# Allegro board RK3588S_Template_LP4XD200P232SD10H2_30X30_2133MHz_H1R6_V11_20220218YWQ.brd (continued)
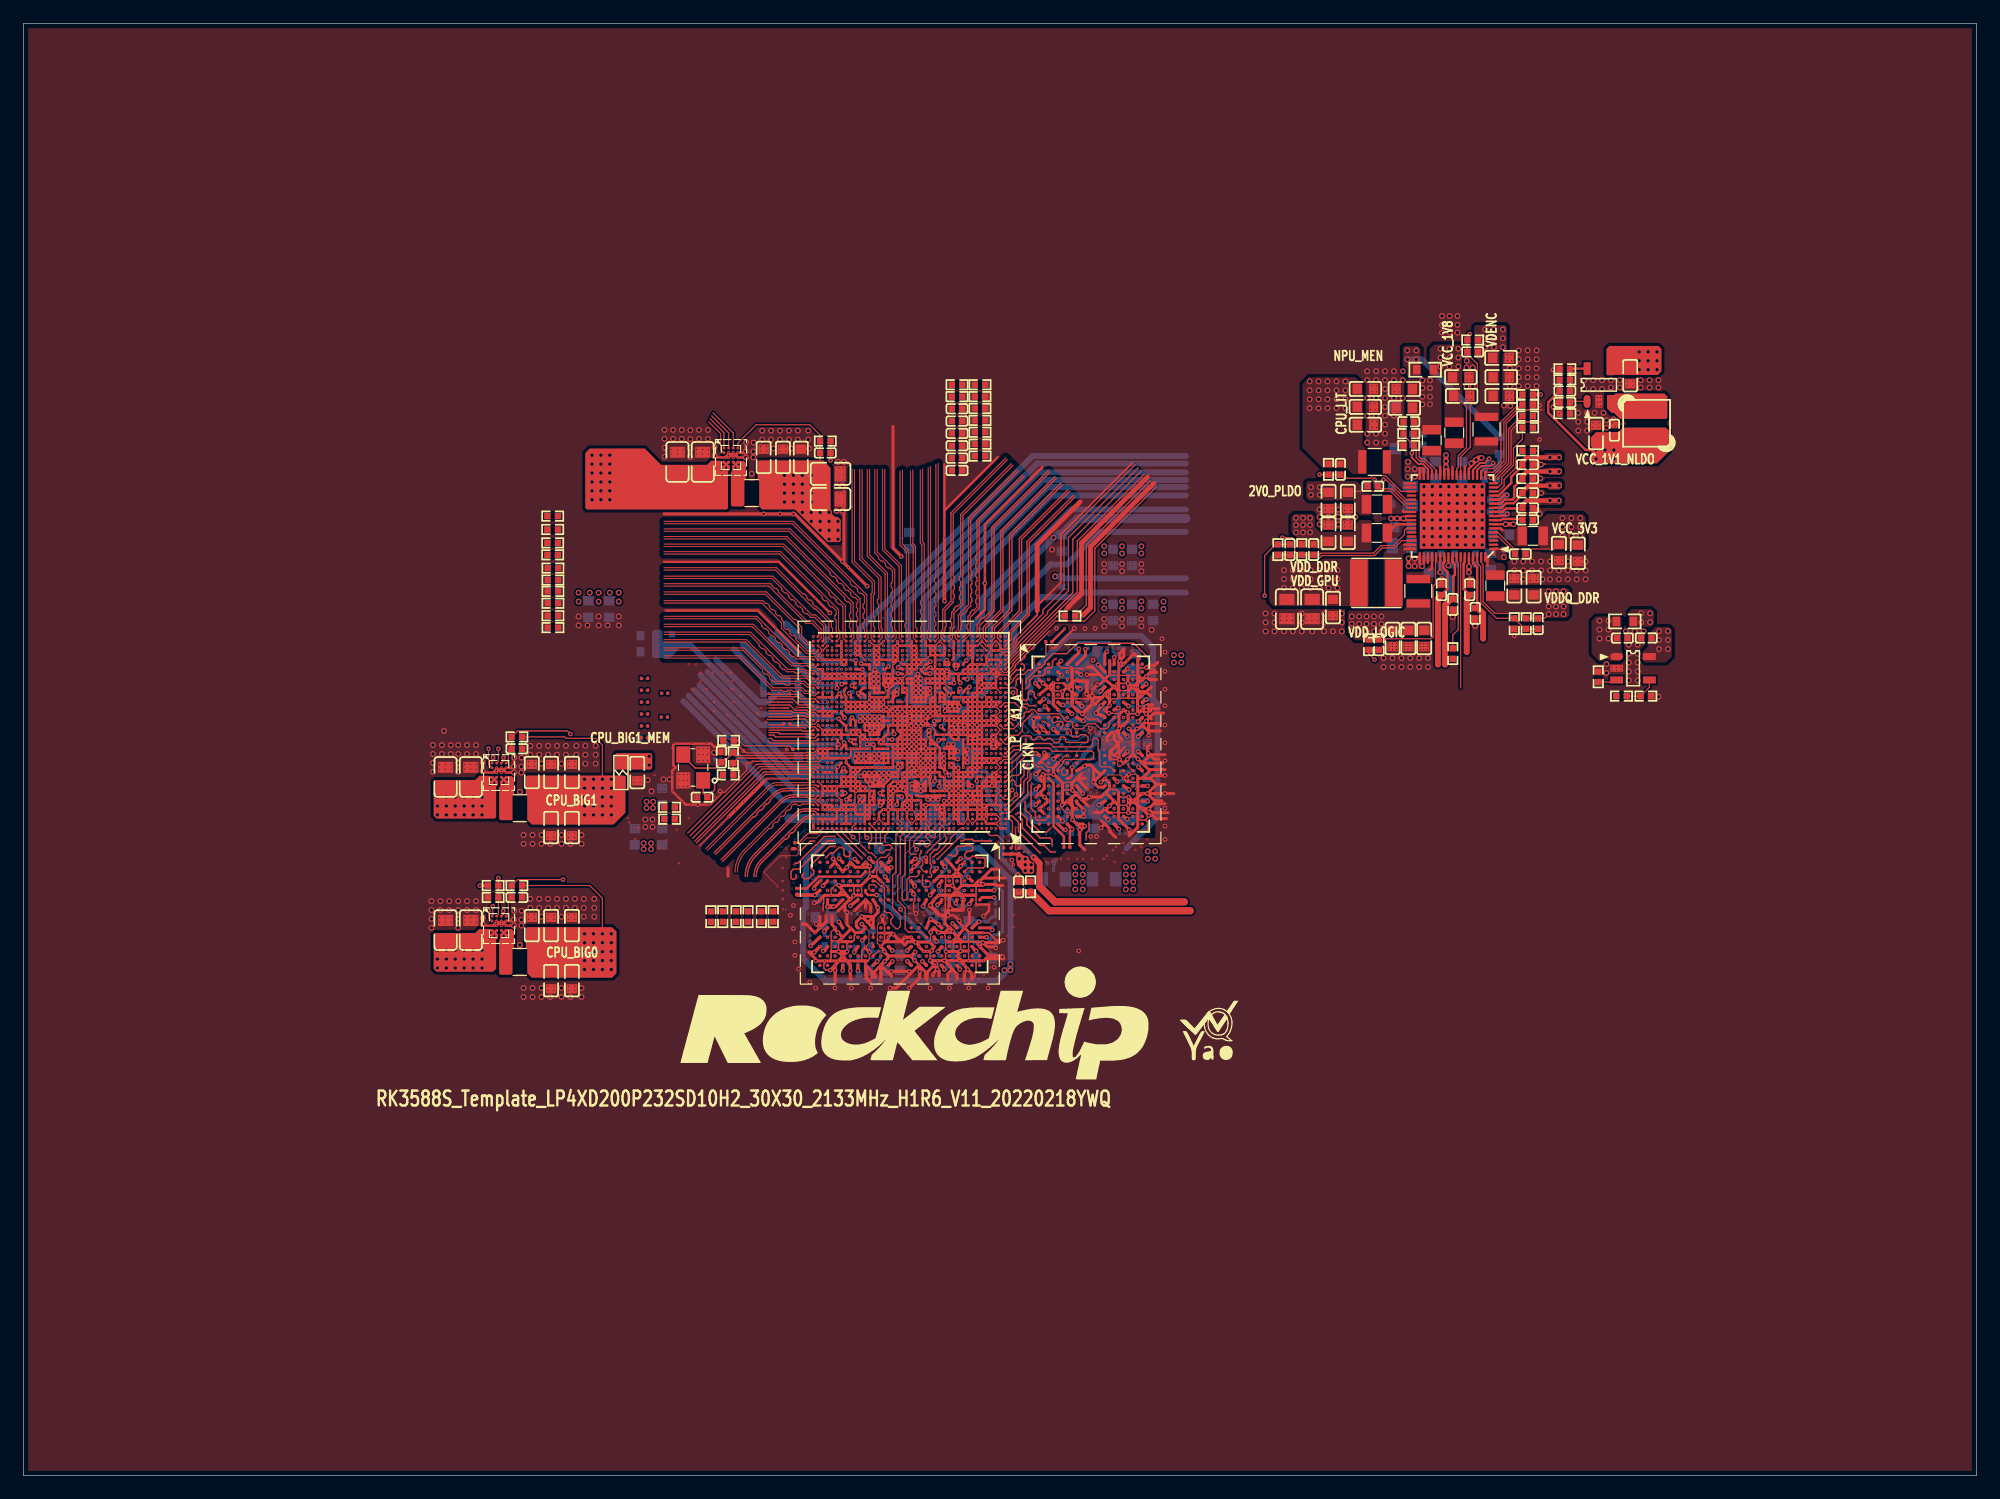
[diagram p0: board, top side]
## Routing (per net, layer and track width the routed paths; a pad name or vN(x,y) marks a point on that pad's centre or on a via; arc(x,y) is an arc through that point) (continued)
  L3-S1 w0.127: v8(93.11,68.39) 92.96,68.39 v3(92.84,68.27) ; v8(68.71,49.66) 68.71,49.65 68.88,49.48 v3(68.88,49.28) ; v3(85.59,61.33) 85.57,61.31 85.24,61.31 v8(85.22,61.34) ; v3(89.59,61.84) 89.59,61.59 v8(89.53,61.53) ; v2(69.02,47.83) 69.1,47.75 v3(69.34,47.75) ; v8(80.77,46.08) 80.77,46.23 v3(80.64,46.36) ; v3(82.78,64.86) 83.02,64.86 v2(83.08,64.92) ; v3(74.22,49.6) 73.97,49.6 v8(73.91,49.66) 73.9,49.67 73.9,49.91 ; v3(66.27,51.9) 66.4,52.02 v8(66.4,52.17) ; v2(82.69,69.7) 82.69,69.7 82.69,69.43 82.56,69.3 v2(82.29,69.3) ; v3(86.11,65.66) 86.11,65.82 v8(86.23,65.95)
  L3-S1 w0.152: v8(78.68,49.6) 78.68,49.5 v3(78.84,49.34) ; 75.17,49.4 75.17,49.33 v8(75.15,49.31) ; 75.17,49.4 v8(75.17,49.89) ; 75.17,49.4 75.41,49.16 v8(75.41,49.15) 75.39,49.15 74.93,48.69 ; v8(62.25,63.57) 60.5,65.33 v8(60.4,65.33) 60.38,65.3 59.64,65.3 ; 80.69,71.1 80.56,71.23 80.56,71.43 ; 80.69,71.1 v3(80.85,70.94) ; 80.69,71.1 v2(80.69,71.3) 80.56,71.43 ; v3(71.27,54.95) 71.32,55 v8(71.57,55) ; v1(81.99,45.54) 81.99,45.49 v2(81.7,45.2) ; v3(88.02,56.91) 88.02,57.01 87.86,57.17 v8(87.86,57.18) ; v3(81.41,49.67) 81.27,49.67 81.25,49.66 81.23,49.66 v8(81.13,49.56) ; v3(69.29,51.18) 69.16,51.31 v8(68.96,51.31) ; v2(89.48,69.04) 89.42,69.1 v3(89.1,69.1) ; v3(77.6,53.48) 77.7,53.38 v8(77.7,53.18) ; 61.74,77.33 v8(63.2,75.87) v8(64.59,74.47) v8(65.1,73.96) v8(65.99,73.08) 66.62,72.44 v8(66.75,72.44) v8(67.31,71.88) v2(67.49,71.7) ; v8(80.56,72.95) v8(80.56,72.26) v8(80.56,71.63) 80.56,71.43 ; v8(87.17,59.1) 87.15,59.07 86.92,59.07 v3(86.87,59.02) ; 57.1,56.31 v3(58.37,56.31) 58.62,56.31 v2(63.35,61.04) ; v2(93.99,69.32) 93.71,69.61 v1(93.66,69.61) ; v2(60.43,68.6) v2(59.77,68.6) v2(58.93,68.6) v2(57.86,68.6) 57.36,68.6 ; v3(72.89,45.18) 72.82,45.25 v8(72.82,45.48) ; 57.78,53.57 v2(57.78,53.85) 57.86,53.77 57.99,53.77 ; v3(91.47,60.36) 91.57,60.26 92.07,60.26 v8(92.07,60.25) 92.08,60.26 92.83,60.26 v8(92.85,60.28) v8(93.12,60.55) ; v3(89.91,64.52) 89.92,64.53 v8(89.92,64.82) ; v8(93.71,60.44) 93.94,60.44 v3(94.01,60.51) ; v2(63.58,66.09) v8(64.47,65.2) ; v8(71.48,52.02) 71.45,52.05 71.45,52.27 v3(71.4,52.32) ; v8(65.23,65.33) v2(64.97,65.58) v2(64.47,66.09) v2(63.7,66.85) 61.25,69.31 v8(61.16,69.31) 59.95,69.31 v8(59.94,69.31) v2(58.55,69.31) v3(58.17,69.31) v2(57.48,69.31) 57.36,69.31 ; v3(74.22,49.6) 73.9,49.91 v2(73.9,50) ; v2(89.59,56.45) 89.87,56.45 v3(89.92,56.51) 90.01,56.51 v8(90.17,56.67) ; v2(58.42,54.48) v8(57.91,54.48) ; v8(81.03,54.99) 81.01,55.01 80.66,55.01 ; v8(63.89,64.69) 60.93,67.64 v8(60.78,67.64) 60.27,67.64 ; 59.89,64.6 v8(60.35,64.6) 60.47,64.6 v8(61.67,63.4) ; 60.02,66.94 v8(60.4,66.94) 60.92,66.94 v2(61.28,66.59) v2(62.74,65.13) v2(63.45,64.41) ; v2(56.85,69.31) 57.06,69.31 ; v3(68.45,52.25) 68.45,52.32 v8(68.63,52.5) 68.7,52.5 68.93,52.73 69.15,52.73 v1(69.18,52.71) 69.35,52.53 v2(69.35,52.4) ; v3(83.39,71.55) 83.17,71.55 83.17,71.61 83.74,72.19 ; v2(64.11,61.04) 59.51,56.44 v8(59.51,56.38) 58.68,55.55 v3(57.61,55.55) ; v2(83.09,55.7) 82.86,55.7 82.82,55.74 v3(82.79,55.74) ; v3(79.67,72.19) 79.68,72.19
  L3-S1 w0.203: v8(93.65,66.03) 93.53,66.15 v3(93.53,66.31) ; v8(83.18,46.69) v3(83.18,46.99) 83.37,46.99 v8(83.47,46.89) ; v8(69.93,75.87) v8(69.67,76.12) v8(67.64,78.16) v8(65.99,79.81) 64.91,80.89 ; v1(69.6,46.4) 69.7,46.3 v8(69.7,45.89) ; v2(68.29,65.7) 68.03,65.7 v3(67.89,65.84) ; v3(78.69,45.66) 78.53,45.66 v8(78.41,45.54) ; v8(77.47,53.21) 77.47,53.35 v3(77.6,53.48) ; v3(81.61,53.59) 81.45,53.75 v8(81.33,53.75) ; v8(66.62,62.79) v3(67.01,62.79) v3(67.51,62.79) 67.79,62.79 v8(67.82,62.81) ; v8(73.41,54.91) 73.5,54.82 v3(73.5,54.63) ; v8(80.56,72.95) 80.56,73.8 v8(80.72,73.96) ; v8(80.01,62.36) 80,62.35 79.89,62.35 ; v2(67.89,67.68) 67.78,67.56 v3(67.56,67.56) 67.31,67.56 v8(67.26,67.61) ; v2(70.99,48.28) 70.51,48.28 v1(70.36,48.13) ; v1(89.64,58.54) 89.73,58.63 v8(90.11,58.63) ; v8(73.48,72.44) v3(73.48,72.09) v3(73.48,71.68) 73.48,71.31 v2(73.49,71.3) ; v1(91.07,57.98) 90.91,58.13 v2(90.91,58.61) ; v2(75.72,48.49) 76.05,48.49 v2(76.07,48.51) ; 75.15,49.05 v8(74.98,48.89) 74.93,48.84 ; v8(70.05,59.89) 69.88,60.07 v3(69.72,60.07) 69.47,60.07 v8(69.43,60.11) ; v1(74.93,48.38) 74.93,48.84 ; v8(71.37,52.91) 71.55,53.09 v3(71.55,53.16) ; v2(67.06,59.48) 67.07,59.49 v3(67.51,59.49) 67.71,59.49 v2(67.89,59.3) ; v8(81.92,71.71) v3(81.92,72.01) 81.92,72.24 v8(81.99,72.31) ; v8(70.05,74.47) 70.05,74.59 69.87,74.77 v8(69.87,74.8) v8(68.41,76.26) v8(67.33,77.34) v8(65.75,78.93) 64.35,80.33 ; v8(78.89,55.63) 78.88,55.61 78.88,55.44 v3(78.74,55.31) ; v1(68.91,73.71) v8(68.58,74.04) 63.32,79.3 ; v8(83.39,73.93) 83.39,73.71 v8(81.99,72.31) ; v3(79.96,48.13) 79.88,48.06 v2(79.88,47.84) ; 76.36,47.92 v1(76.25,48.03) ; v8(78.05,72.82) 78.05,72.54 v3(78.09,72.51) 78.09,72.45 78.31,72.23 v8(78.31,71.93) v8(78.31,71.55) 78.29,71.54 v2(78.29,71.3) ; v3(72.29,56.08) 72.26,56.05 v8(72.26,55.75) ; v3(67.08,65.84) 67.16,65.91 v8(67.39,65.91) v8(67.59,65.91) 67.82,65.91 v3(67.89,65.84) ; v3(67.08,65.84) v3(67.89,65.84) ; v3(67.08,65.84) 67.21,65.71 v8(67.39,65.71) v8(67.59,65.71) 67.77,65.71 v3(67.89,65.84) ; 74.93,48.84 74.75,48.66 v8(74.29,48.66) ; v8(71.4,53.95) 71.52,53.95 v3(71.67,54.1) ; v8(81.99,72.31) v8(82.5,72.82) ; v3(73.55,53.47) 73.55,53.65 v8(73.66,53.76) ; v3(74.69,71.68) 74.69,71.99 v8(74.63,72.06) ; v8(75.89,71.53) v2(75.89,71.3) ; v3(68.78,54.1) 68.65,54.1 v8(68.5,53.95) ; v8(76.07,54.36) 76.15,54.28 v3(76.15,54) ; v8(76.99,71.93) 77.09,71.83 v3(77.09,71.63) v2(77.09,71.3) v2(77.09,70.9) ; 79.43,62.02 79.41,62.02 v8(79.28,61.89) 79.04,61.89 78.84,62.1 ; 88.78,57.88 88.78,57.32 v1(88.75,57.29) ; v8(93.3,57.32) 92.89,57.32 v1(92.79,57.22) ; v1(69.67,50.44) 69.7,50.41 70.26,50.41 ; v1(67.73,47.12) v2(68.05,46.8) ; v8(90.42,62.63) 90.47,62.59 90.75,62.59 90.82,62.65 v3(90.82,62.65) ; v8(76.58,50.53) 76.68,50.53 v3(76.83,50.69) ; v8(84.23,66.67) 84.06,66.84 v3(84.06,66.93) ; v8(69.44,71.12) 69.44,71.27 v3(69.29,71.42) ; v3(70.36,52.95) 70.3,52.95 v8(70.1,52.76) ; v2(73.61,47.16) 73.41,47.36 v1(73.41,47.77) 73.51,47.88 v8(73.96,47.88) v8(74.27,47.88) ; 63.82,79.8 v8(64.65,78.98) v8(66.24,77.39) v8(67.51,76.12) v8(69.55,74.08) v8(69.8,73.83) ; v1(92.07,55.35) v2(92.39,55.67) ; v8(77.03,55.91) 77.03,55.98 v3(76.83,56.18) ; v2(68.29,68.88) v2(67.89,68.88) 67.65,68.88 v3(67.51,69.01) ; 79.64,74.09 79.64,89.01 ; v1(74.32,46.25) 74.55,46.02 v8(74.55,45.85) ; v2(67.49,71.7) 67.64,71.55 v3(67.64,71.42) ; v3(91.06,67.58) 91.13,67.5 v2(91.35,67.5) ; v3(82.93,52.04) v8(82.93,51.74) ; v8(70.05,76.76) v8(70.31,76.5) ; v3(66.88,57.96) v3(67.39,57.96) v3(67.89,57.96) 68.15,57.96 v2(68.29,58.1) ; v1(70.36,44.77) v1(69.65,44.77) ; 75.13,51.58 v3(75.08,51.63) ; 91.28,63.98 v1(91.17,63.87) ; v2(72.29,71.3) 72.21,71.38 v3(72.21,71.6) ; v8(92.5,70.81) v3(92.2,70.81) ; 75.13,47.21 v3(75.44,47.52) ; v1(70.92,49.55) 71.01,49.46 v8(71.01,49.08)
  L3-S1 w0.254: v2(83.09,60.06) v3(82.76,60.06) ; v8(66.42,53.07) 66.23,52.87 v3(66.19,52.87) ; v2(74.68,56.09) 74.68,56.37 v3(74.7,56.39) ; v8(69.42,72.31) 69.31,72.31 62.82,78.8 ; v8(87.07,56.06) 86.91,56.22 v3(86.82,56.22) ; v8(80.72,73.96) 80.85,74.09 v8(80.85,79.17) v8(80.85,82.22) v3(80.85,88.44) 80.85,89.84 ; 62.43,78.4 69.29,71.54 v3(69.29,71.42)
  L3-S1 w0.305: v3(73.94,63.75) 73.89,63.71 v2(73.89,63.3)
  L3-S1 w0.406: v8(85.55,80.06) v8(85.55,82.6) v8(85.55,84.38) v8(85.55,88.7) ; 82.43,94.1 87.45,89.08 v8(87.45,82.47) 87.45,75.36 84.28,72.19 83.74,72.19 ; 81.86,87.68 81.86,90.22 ; v8(83.39,75.74) v8(83.39,73.93)
  L5-POWER2 w0.064: v1(73.51,65.66) 73.38,65.78 v3(73.08,65.78) 73.05,65.81 v3(72.64,65.81) ; v1(72.26,65.66) 72.52,65.41 v3(72.58,65.41) 72.6,65.38 v3(73.15,65.38) 73.58,65.38 v3(73.71,65.25)
  L5-POWER2 w0.076: v1(81.33,62.99) 81.17,62.83 80.98,62.83 80.91,62.91 v1(80.91,63.01)
  L5-POWER2 w0.102: v3(79.27,62.97) 79.36,62.88 79.66,62.88 79.94,62.6 79.99,62.6 80.09,62.5 v3(80.4,62.5) ; v3(80.4,62.5) 80.9,63.01 v1(80.91,63.01) ; v3(80.4,62.5) 80.42,62.48 v3(80.9,62.48) ; v3(77.6,53.48) 77.71,53.59 80.26,53.59 82.93,50.93 v3(84.45,50.93) 86.61,50.93 87.52,51.83 v3(87.52,53.21) 87.52,54.3 v3(86.98,54.85) 86.98,54.88 85.34,56.52 85.34,57.45 v3(85.05,57.75) 85.22,57.92 85.22,59.03 v3(85.62,59.44) 85.72,59.54 85.72,60.3 v3(85.83,60.4)
  L5-POWER2 w0.203: v3(74.04,62.23) 74.67,62.23 74.7,62.2 v3(74.7,62.08) ; v3(75.54,60.07) 75.49,60.12 v3(75.49,60.5) ; 76.49,62.74 76.49,62.74 76.88,62.74 76.89,62.74 ; v3(76.71,63.2) 76.71,63.26 76.5,63.47 ; v3(76.1,59.64) 75.69,59.64 v3(75.67,59.62) ; v3(74.43,64.63) 74.43,64.62 v3(74.03,64.62) ; v3(71.24,60.77) 71.64,60.77 v3(71.64,60.76) 72,60.76 72.03,60.73 v3(72.05,60.73) 72.05,60.74 72.06,60.76 72.45,60.76 v3(72.45,60.76) v3(72.85,60.76) v3(73.25,60.76) v3(73.69,60.76) ; v3(71.2,66.14) 70.94,66.14 v3(70.79,65.99) 70.79,66.11 70.59,66.31 v3(70.36,66.31) ; 76.89,62.74 v3(76.94,62.79) ; 76.89,62.74 76.89,62.19 76.91,62.18
  L6-S2 w0.203: v3(75.49,60.5) 75.49,60.12 v3(75.54,60.07)
  L8-S3 w0.064: v4(69.34,63.14) 69.16,63.32 v3(69.04,63.32) ; v4(71.48,58.57) v3(71.88,58.52) ; v3(71.88,58.52) 71.75,58.39 71.66,58.39 71.63,58.42 v4(71.6,58.39) ; v3(71.88,58.52) 72.09,58.49 72.18,58.36 ; v3(80.22,45.54) 80.22,46.31 80.97,47.06 81.12,47.06 v3(81.21,46.96) 81.21,47.36 81.65,47.8 v1(82.04,47.8) 82.98,47.8 84.39,49.21 v3(84.39,53.43) 84.58,53.63 84.58,53.7 v6(84.61,53.72) 84.58,53.75 84.58,54.05 84.39,54.25 83.54,54.25 83.31,54.02 v6(83.31,53.66) v3(83.53,53.44) 83.53,49.46 83.14,49.07 82.98,49.07 82.55,48.64 v6(81.53,48.64) 81.13,48.64 v1(80.82,48.33) 80.82,47.84 79.48,46.5 v1(79.4,46.5) ; 77.42,65.58 77.09,65.66 77.17,65.58 ; v4(75.08,64.24) 75.11,64.26 75.11,64.34 75.27,64.5 75.29,64.48 ; 70.1,51.69 70.33,51.69 70.45,51.56 v6(70.48,51.56) 70.48,51.53 70.62,51.4 ; 70.1,51.69 v1(70.35,51.94) ; 70.1,51.69 70.05,51.69 ; 77.06,65.68 77.07,65.68 ; v6(90.42,71.44) v6(90.04,71.82) 89.98,71.88 v6(87.25,71.88) v6(86.87,71.88) v3(86.36,71.88) 85.22,71.88 v6(84.71,71.37) ; v3(76.46,64.65) 76.73,64.44 76.74,64.39 76.73,64.39 v4(76.73,64.36) ; v3(69.04,63.32) 68.86,63.32 v4(68.58,63.04) ; v3(69.04,63.32) 69.04,63.14 v4(69.21,62.97) ; 76.29,63.02 76.67,63.13 v3(76.71,63.2) ; 69.43,51.85 69.25,51.85 ; 69.43,51.85 v4(69.34,51.94) 69.25,51.85 ; 69.43,51.85 69.56,51.85 69.6,51.85 69.72,51.73 70.01,51.73 70.05,51.69 ; 69.25,51.85 68.85,51.85 v3(68.45,52.25) ; v6(88.39,55.69) 88.39,56.03 88.76,56.4 v6(89.53,56.4) 89.65,56.4 90.53,57.28 91.37,57.28 91.74,57.65 93.09,57.65 v4(93.18,57.56) ; v3(69.29,51.18) 69.16,51.31 68.43,51.31 67.31,52.44 67.31,54.36 v4(66.72,54.95) ; 85.79,68.26 v6(85.72,68.33) 85.66,68.26 ; 85.79,68.26 85.66,68.26 ; 85.79,68.26 86.09,68.26 ; 71.53,67.61 71.53,67.58 71.63,67.52 71.65,67.44 v3(71.58,67.51) ; 85.66,68.26 85.52,68.26 85.33,68.07 ; v4(83.06,65.02) 82.9,64.86 82.84,64.86 ; 69.72,49.62 70.33,49.02 70.33,48.55 70.36,48.52 v1(70.36,48.13) ; 81.3,55.94 81.11,55.94 v3(81.06,55.89) 81.03,55.89 v4(80.77,55.63) v4(80.52,55.37) 80.43,55.29 80.43,54.74 ; 81.3,55.94 81.61,55.94 81.91,55.64 v3(81.91,55.3) ; 81.3,55.94 v4(81.36,55.99) ; v4(70.51,63.83) 70.61,63.83 v3(70.79,63.65) 70.99,63.65 v4(71.12,63.53) ; v3(77.34,58.55) 77.47,58.42 v4(77.67,58.42) ; 79.88,48.06 79.7,47.88 v6(79.63,47.88) ; 87.76,58.2 87.66,58.11 v6(87.63,58.11) 87.63,58.07 87.5,57.95 ; v3(85.05,57.75) 85.25,57.54 v6(85.25,57.53) ; v6(76.07,57.91) 76.3,58.14 76.3,59.38 76.33,59.41 v3(76.1,59.64) ; v4(83.06,64.14) 82.86,64.34 v3(82.8,64.34) 82.8,64.39 v4(83.06,64.64) 82.84,64.86 ; 75.31,64.46 v3(75.31,64.44) ; 75.31,64.46 75.29,64.48 ; 75.31,64.46 75.31,64.59 75.29,64.61 ; v3(66.72,55.32) 66.72,55.42 v6(67.18,55.88) 67.43,56.13 67.73,56.13 v6(67.98,55.88) 68.07,55.88 v3(68.3,55.65) ; 82.84,64.86 v3(82.78,64.86) ; 70.05,51.69 70.34,51.4 70.62,51.4 ; 80.08,51.08 v3(80.06,51.07) 80.06,51.08 80.08,51.08 ; 80.08,51.08 80.27,51.28 80.36,51.28 v6(80.77,51.69) 81.28,52.2 v6(81.28,52.3) ; v4(69.55,63.91) v4(69.72,63.73) 69.93,63.73 v3(70.03,63.63) 70.1,63.7 v4(70.33,63.7) ; v6(68.07,50.8) 68.1,50.77 68.44,50.77 68.78,50.43 v6(68.78,49.66) ; v3(74.04,62.23) 73.86,62.57 73.87,62.6 73.86,62.62 73.86,62.64 ; 75.29,64.48 75.29,64.61 ; v1(91.07,57.98) 90.67,57.98 90.64,57.95 90.17,57.95 89.54,57.32 v3(89.49,57.32) ; v3(92.67,67) 92.67,67.02 92.68,67.03 92.68,67.12 91.35,68.44 v1(90.86,68.44) 90.46,68.84 90.39,68.84 88.33,70.9 87.06,70.9 86.24,70.08 84.67,70.08 v3(84.45,70.3) 84.45,71.25 84.71,71.5 85.09,71.5 v6(85.34,71.25) ; 75.29,64.61 74.96,64.95 v4(74.93,64.95) ; 86.12,68.26 86.09,68.26 ; 86.12,68.26 86.21,68.35 v6(86.49,68.35) 86.57,68.44 86.96,68.44 87.15,68.24 87.15,67.74 v1(87.12,67.7) 87.12,67.58 87.44,67.26 87.44,66.93 87.78,66.58 87.78,66.39 87.79,66.39 v6(87.79,66.35) v3(88.02,66.13) 88.23,66.13 v6(88.39,66.28) 88.55,66.44 88.55,66.49 ; 86.12,68.26 v6(86.11,68.25) 86.09,68.26 ; 78.87,50.64 78.82,50.64 v6(78.66,50.8) 78.5,50.96 v3(78.5,51.18) v6(78.73,51.4) 78.96,51.4 79.31,51.76 79.76,51.76 v1(80.08,52.07) ; 87.79,58.24 v3(88.13,58.57) ; 87.32,57.9 v1(87.25,57.97) ; v3(75.56,63.58) 75.44,63.7 75.21,63.7 75.16,63.75 ; v4(77.5,61.21) 77.49,61.22 77.5,61.26 77.33,61.5 77.26,61.51 v3(77.17,61.65) ; v4(72.03,67.82) v3(72.03,67.48) ; 76.5,63.47 76.5,63.78 v4(76.5,63.75) ; v4(73.41,65.18) 73.27,65.34 73.18,65.35 v3(73.15,65.38) 73.11,65.39 72.87,65.28 v4(72.86,65.28) ; v1(91.4,69.66) 91.4,69.23 92.79,67.84 v3(93.66,67.84) ; 70.62,51.4 v3(70.95,51.07) ; 75.13,63.32 75.24,63.43 v4(75.23,63.5) 75.26,63.53 75.26,63.58 75.18,63.65 75.18,63.76 74.98,63.95 v3(74.9,63.95) ; v4(76.1,61.21) 76.08,61.22 75.93,61.09 v3(75.92,60.97) 76.23,60.98 v4(76.33,61.09) ; 81.91,55.14 v4(82.04,55.02)
  L8-S3 w0.066: 87.79,58.24 87.76,58.2 87.76,58.05 87.5,57.8 ; 87.75,68.17 87.75,68.07 87.8,68.02 87.8,67.92 87.89,67.83 ; 84.45,54.48 85.51,55.54 87.12,55.54 88.02,56.44 v3(88.02,56.91) ; 87.76,68.18 87.66,68.27 87.66,68.45 87.66,68.46 87.66,68.55 87.12,69.09 ; 86.72,56.26 87.3,56.84 87.3,56.85 87.3,56.91 ; v6(90.42,70.1) 90.22,70.1 89.66,70.66 v6(89.66,70.87) ; 87.5,57.84 87.5,57.8 ; 87.5,57.84 87.45,57.9 87.32,57.9 ; 87.5,57.84 87.5,57.95 ; 87.5,57.8 87.32,57.61 v4(87.32,57.58) 87.33,57.57 87.33,57.14 87.3,57.11 87.3,57.06 ; 87.3,57.06 87.3,56.91 ; 87.3,57.06 87.25,57.01 v4(87.25,56.96) 87.3,56.91
  L8-S3 w0.076: 87.89,67.83 88.01,67.83 88.01,67.76 ; v3(84.23,54.48) 84.45,54.48 ; 87.75,68.17 87.76,68.18
  L8-S3 w0.102: v4(76.26,65.42) 76.28,65.42 76.45,65.55 76.46,65.65 76.51,65.57 76.63,65.54 76.69,65.45 ; v4(75.08,64.24) 75.11,64.21 75.11,64.21 75.02,64.28 74.99,64.28 74.88,64.36 v3(74.84,64.63) ; 72.56,64.05 v6(72.54,64.03) 72.52,64.05 ; 72.56,64.05 72.52,64.05 ; 72.56,64.05 73.41,64.05 73.51,64.15 ; v3(88.02,66.13) 88.03,66.11 88.17,66.11 88.55,66.49 v6(88.55,67.5) 88.37,67.68 88.34,67.68 88.33,67.67 88.2,67.67 88.19,67.68 88.09,67.68 88.01,67.76 ; v3(72.58,65.41) 72.58,65.57 72.59,65.59 ; 84.67,70.08 84.69,70.06 v6(84.79,70.06) 85.17,70.06 v6(85.47,70.36) ; v3(73.08,65.78) 73.05,65.63 73.26,65.35 73.29,65.34 v4(73.41,65.18) ; v3(73.08,65.78) 72.83,65.61 72.89,65.52 ; v3(73.08,65.78) 73.01,65.83 72.94,66.27 72.93,66.39 v4(72.9,66.42) ; v3(73.08,65.78) 72.9,65.84 72.82,66 72.84,66.13 72.85,66.14 ; v3(83.64,60.88) 83.44,60.67 v6(83.44,60.65) ; v4(74.88,64.33) 74.81,64.36 74.77,64.48 v3(74.84,64.63) ; 76.25,64.9 76.46,65.17 v3(76.5,65.18) 76.43,65.19 76.2,65.51 76.04,65.53 75.88,65.42 v4(75.85,65.42) 75.87,65.43 v6(76.1,65.71) ; v4(74.93,64.95) 74.97,64.9 74.97,64.76 v3(74.84,64.63) ; 81.91,54.89 82.03,55 ; 81.91,54.89 v3(81.91,54.74) v4(81.91,54.36) 81.91,53.98 v6(81.79,53.85) v6(81.28,53.34) v6(81.28,52.96) v6(81.28,52.3) ; 81.91,54.89 v3(81.91,55.3) ; v3(73.12,62.42) 73.12,62.29 v6(73.28,62.13) 73.41,62 v3(73.61,62) ; v4(73.57,56.42) 73.53,56.38 v6(73.53,56.13) 73.53,56.08 v3(73.79,55.83) 73.48,55.83 v6(73.41,55.75) ; v3(79.18,64.05) 79.02,64.05 78.5,63.53 v4(78.1,63.53) ; 83.93,69.99 v6(83.44,69.5) 83.34,69.5 v3(83.18,69.34) v6(83.18,68.96) v6(83.18,68.07) 82.98,67.86 v3(82.98,67.81) 82.93,67.76 82.93,67.46 v6(82.95,67.44) 82.95,67.44 v6(82.95,66.8) 82.95,66.4 82.84,66.3 v6(82.81,66.3) 82.8,66.3 82.72,66.3 82.44,66.02 82.44,66.01 82.35,65.92 v3(82.35,65.73) v6(82.35,65.41) 82.35,65.29 v6(82.01,64.95) 82.01,64.3 81.89,64.18 v3(81.89,64.15) ; 83.93,69.99 84.14,69.99 v6(84.2,70.05) ; 83.93,69.99 84.23,70.3 84.45,70.3 ; 80.43,54.74 v6(80.43,52.43) v1(80.08,52.07) ; 72.52,64.05 72.03,64.05 v3(71.93,63.95) ; v6(75.18,57.53) 75.16,57.56 74.98,57.56 74.78,57.76 74.65,57.76 74.55,57.86 v6(74.55,57.91) ; v3(66.17,53.73) 66.29,53.6 v4(66.29,53.46) 66.29,53.03 66.19,52.92 v3(66.19,52.87) 66.19,52.68 v6(68.07,50.8) ; 85.33,68.07 v4(85.09,68.07) v6(84.71,68.07) 84.58,68.07 v6(84.39,68.26) 84.07,68.58 v6(84.04,68.58) 83.83,68.78 83.83,69.07 v6(83.82,69.09) v6(84.1,69.37) v3(84.48,69.37) 84.51,69.34 v6(84.87,69.34) 85.12,69.09 v6(85.85,69.09) v6(86.23,69.09) v6(86.61,69.09) 87.12,69.09 ; v6(86.91,66.71) 86.84,66.78 v3(86.84,67.02) ; 77.09,65.66 77.07,65.68 77.1,65.71 77.1,67.55 77.2,67.65 77.2,68.09 77.22,68.11 ; v4(70.82,66.5) 70.97,66.65 70.97,67.15 v4(71.28,67.45) ; v3(72.29,56.08) 72.59,56.08 v4(72.64,56.13) ; v3(80.06,51.07) 80.06,50.82 v6(79.88,50.64) 78.87,50.64 78.49,51.02 78.49,51.16 v3(78.5,51.18) ; v6(80.39,56.52) 80.62,56.52 v3(80.69,56.58) ; v4(77.91,53.52) 77.86,53.48 v3(77.6,53.48) 77.34,53.48 v4(77.29,53.43) ; v4(71.08,68.2) 71,68.2 70.97,68.22 70.97,68.46 70.87,68.56 70.87,68.52 v3(70.89,68.5) 70.89,69.38 70.62,69.65 v3(69.93,69.65) ; v3(67.39,57.96) 67.55,57.8 v6(67.64,57.8) 67.73,57.8 ; v4(66.72,54.95) v3(66.72,55.32) ; v3(78.69,45.66) 78.79,45.55 78.79,45.31 78.84,45.26 v1(78.84,44.77) ; v3(69.53,45.61) v4(69.94,46.01) 70.03,46.11 70.03,47.45 69.64,47.84 69.64,48.68 68.78,49.55 v6(68.78,49.66) ; v3(87.45,69.85) 87.59,69.85 v6(87.72,69.98) ; v6(72.77,69.42) 72.77,69.41 72.26,68.9 v6(72.26,68.63) ; v3(93.58,57.16) v4(93.18,57.56) ; 77.47,60.08 v4(77.47,60.07) ; 84.88,56.26 86.72,56.26 ; v3(93.53,66.31) 93.64,66.41 93.89,66.41 93.93,66.46 v3(94.42,66.46) ; v3(68.45,52.25) 68.07,52.63 v6(68.07,52.83) v6(68.07,53.21) v6(68.07,53.59) v6(68.07,54.23) v4(68.07,55.12) 68.07,55.42 v3(68.3,55.65) ; v3(84.43,71.12) 84.58,70.97 v6(84.58,70.74) 84.58,70.42 v3(84.45,70.3) 84.33,70.42 v6(84.33,70.74) 84.33,71.02 v3(84.43,71.12)
  L8-S3 w0.127: v4(86.13,60.41) 85.84,60.41 v3(85.83,60.4) ; v3(71.4,52.32) 71.39,52.32 71.37,52.31 70.89,52.31 v4(70.88,52.29) ; 77.22,68.11 77.22,68.11 77.09,68.24 77.09,68.68 77.45,69.04 v1(77.5,69.04) ; v4(85.92,59.44) 85.63,59.44 v3(85.62,59.44)
  L8-S3 w0.152: v6(75.34,51.25) 75.34,51.38 v3(75.08,51.63) v6(75.39,51.94) ; v6(75.79,46.96) 75.79,46.5 ; 75.79,46.5 75.49,46.81 v6(75.34,46.81) ; 75.79,46.5 75.84,46.45 ; 75.79,46.5 75.49,46.2 v6(75.44,46.2) ; v4(86.49,59.05) 86.83,59.05 v3(86.87,59.02) ; v4(71.63,52.87) 71.55,52.95 v3(71.55,53.16) ; v3(84.84,62.99) 85.01,62.81 v4(85.09,62.81) ; v6(74.68,53.09) 74.49,53.27 v3(74.49,53.33) ; v6(75.03,47.26) 75.18,47.26 v3(75.44,47.52) ; v3(84.27,59.03) 84.27,59.27 v6(84.33,59.33) ; v3(73.69,52.41) 73.79,52.41 73.94,52.26 v6(73.94,52.22) 74.14,52.02 v1(74.14,51.96) ; 73.88,53.97 73.55,53.64 v3(73.55,53.47) 73.44,53.47 v4(73.28,53.31) ; 73.88,53.97 73.88,54.32 v6(73.91,54.36) ; 73.88,53.97 74.04,53.97 v3(74.17,54.1) 73.92,54.36 v6(73.91,54.36) ; v4(86.63,57.78) 86.74,57.78 v4(86.87,57.66) 86.93,57.66 v1(87.25,57.97) 87.38,58.11 v6(87.63,58.11) ; v3(71.27,54.95) 71.51,54.95 v6(71.58,55.02) ; v3(90.3,69.09) 89.97,68.76 v6(89.97,68.63) ; v4(92.23,66.31) 92.28,66.31 v1(92.79,65.8) ; v4(88.62,64.87) 88.62,64.58 v3(88.55,64.51) 88.55,64.23 v6(88.65,64.14) ; v6(82.76,59.76) v3(82.76,60.06) 82.92,60.06 v6(83.06,59.92) ; v6(93.96,62.35) 94.34,62.35 v3(94.37,62.37) 94.39,62.35 v6(94.72,62.35) ; v3(75.44,47.52) 75.49,47.57 ; v3(75.44,47.52) 75.13,47.82 v6(75.08,47.82) ; v3(85.59,61.33) 85.6,61.33 85.85,61.58 v6(85.85,61.72) ; v6(91.44,67.5) 91.7,67.5 ; 91.7,67.5 v1(91.78,67.58) ; 91.7,67.5 91.45,67.25 v6(91.31,67.25) ; v6(84.46,59.9) 84.68,60.12 v3(84.68,60.16) ; v6(74.73,44.47) 74.73,44.8 v3(74.76,44.83) 74.73,44.86 v6(74.73,45.23) ; v4(69.34,52.45) 69.18,52.62 v1(69.18,52.71) ; 79.88,47.49 79.63,47.75 v6(79.63,47.88) ; 79.88,47.49 v6(79.88,47.75) ; 79.88,47.49 v1(79.96,47.42) ; v3(89.61,68.13) 89.49,68.26 v6(89.49,68.4) ; v3(84.45,70.3) 84.45,70.3 v6(84.2,70.05) 84.78,70.05 v6(84.79,70.06) ; 87.32,57.61 87.32,57.9 ; v1(87.23,61.76) 87.17,61.76 v6(86.97,61.56) 86.93,61.56 86.78,61.41 v3(86.78,61.31) ; v3(85.88,64.4) 85.94,64.35 v6(85.94,64.06) ; v3(80.62,68.83) 80.62,69.06 v4(80.72,69.16) ; v6(86.23,62.23) 86.05,62.23 85.92,62.1 85.9,62.1 v3(85.89,62.08) ; v4(70.84,50.64) 70.71,50.51 v3(70.71,50.36) ; v3(86.11,65.66) 86.06,65.7 v4(86.06,66.31) ; v6(73.91,54.36) 73.64,54.63 v3(73.5,54.63) ; v6(75.49,47.92) 75.49,47.57 ; 75.49,47.57 v6(75.9,47.57) ; v6(71.37,53.98) 71.55,53.98 v3(71.67,54.1) ; v4(88.55,58.46) 88.68,58.33 v3(88.83,58.33) ; v3(80.69,56.58) 80.96,56.58 v6(81.03,56.52) ; v4(78.69,46.96) 78.69,46.91 v1(78.18,46.4) ; v3(71.55,53.16) 71.6,53.21 v4(71.85,53.21) ; v3(71.55,53.16) 71.5,53.11 71.5,52.43 v3(71.4,52.32) ; v1(70.35,51.94) 70.48,51.81 v6(70.48,51.56)
  L8-S3 w0.203: v6(81.03,49.78) 81.05,49.76 81.31,49.76 v3(81.41,49.67) 81.65,49.91 v6(81.66,49.91) 81.85,50.1 81.85,50.38 v1(81.98,50.52) ; 87.15,64.27 v4(87.15,64.28) 87.22,64.35 v3(87.44,64.35) 87.5,64.29 v6(87.5,64.01) ; 87.15,64.27 v1(87.15,63.72) 87.21,63.72 v6(87.5,64.01) ; 87.15,64.27 87.42,64.01 v6(87.5,64.01) ; v3(73.12,62.42) 73.55,62.42 v3(73.56,62.43) ; v3(70.84,60.71) 73.63,60.71 v3(73.69,60.76) ; v4(80.7,66.01) 80.7,66.04 v3(80.48,66.25) ; v4(80.7,66.01) 81.04,66.01 ; v4(80.7,66.01) 80.72,65.99 v4(81.03,65.99) 81.03,66 81.04,66.01 ; 78.49,59.41 78.49,59.66 v3(78.44,59.71) 78.26,59.52 78.26,59.46 ; v3(79.72,65.24) 79.76,65.2 79.76,64.77 v4(79.88,64.64) 80.42,64.11 v1(80.42,64.11) ; v4(86.63,57.78) 86.62,57.8 v3(86.33,57.8) ; 81.04,66.01 v3(81.29,66.26) ; v3(79.27,62.97) v3(78.87,62.97) 78.84,62.97 v6(78.61,62.74) 78.59,62.71 v4(78.59,62.48) ; v4(80.64,71.15) v3(80.85,70.94) ; v3(82.93,52.04) 82.93,51.69 v4(82.93,51.69) v4(82.93,51.44) ; v3(77.47,52.26) 77.66,52.45 v6(77.72,52.45) ; v4(78.1,63.53) v4(78.1,63.32) ; v3(75.49,60.5) 75.44,60.5 v4(75.23,60.71) 75.01,60.93 v3(75.01,61.04) ; v3(76.83,50.69) 76.99,50.85 v4(77.09,50.85) ; v6(71.75,56.01) 72,56.01 72.07,56.08 72.19,56.08 ; 72.19,56.08 v3(72.29,56.08) ; 72.19,56.08 v6(72.01,56.26) ; v6(91.31,67.25) 91.31,67.33 91.13,67.5 ; v1(88.65,69.6) 88.67,69.58 v6(88.67,69.29) ; v3(75.11,66.9) 75.11,67.13 v4(75.18,67.21) ; v6(84.06,66.55) v3(84.06,66.93) v6(84.06,67.31) ; v3(76.72,69.7) 76.68,69.7 v4(76.45,69.47) 76.43,69.45 v4(76.43,69.01) 76.56,68.88 v3(76.71,68.88) ; 72.9,60.45 72.88,60.47 72.26,60.47 72.24,60.45 v4(72.16,60.45) 72.14,60.47 v4(70.54,60.47) ; v6(69.09,62.36) 69.37,62.08 v4(69.47,62.08) 69.82,62.08 v4(69.85,62.1) 69.93,62.18 70.39,62.18 v3(70.54,62.33) ; v3(79.96,48.13) 79.88,48.06 v6(79.88,47.75) ; v3(84.84,62.99) v4(84.57,63.25) ; v3(75.74,67.72) 75.74,67.56 v6(75.87,67.44) ; v4(83.82,64.77) 83.99,64.6 v3(83.99,64.51) v4(83.99,64.14) ; v3(89.61,68.13) 89.62,68.13 v4(89.83,67.92) ; 91.13,67.5 v3(91.06,67.58) ; 91.13,67.5 v6(91.44,67.5) ; v6(86.74,65.39) 86.6,65.53 86.23,65.53 v3(86.11,65.66) ; v6(70.36,53.25) v3(70.36,52.95) ; v4(79.67,72.52) v3(79.67,72.19) ; v3(73.67,59.18) 74.37,59.18 v3(74.42,59.23) 74.7,59.51 v3(74.78,59.51) 75.21,59.51 75.23,59.54 75.26,59.54 v3(75.27,59.55) 75.26,59.56 75.39,59.69 75.39,59.79 75.34,59.84 75.32,59.84 v4(75.31,59.86) 75.32,59.86 75.34,59.87 75.39,59.82 75.54,59.97 v3(75.54,60.07) ; v6(78.87,52.83) 78.87,52.58 v6(78.99,52.45) 79.1,52.35 v3(79.4,52.35) 79.25,52.5 v6(79.25,52.7) 79.12,52.83 v6(78.87,52.83)
  L8-S3 w0.254: v3(67.89,57.96) 67.82,58.04 66.71,58.04 66.63,57.96 ; v3(67.89,57.96) v3(67.39,57.96) v3(66.88,57.96) ; v3(67.89,57.96) 67.73,57.8 v6(67.13,57.8) 67.04,57.8 ; 66.63,57.96 v3(66.88,57.96) ; 66.63,57.96 v6(66.58,57.91) 66.69,57.8 67.04,57.8 ; v3(66.88,57.96) 67.04,57.8 ; 70.84,60.71 v3(70.84,60.71)
  L8-S3 w0.305: v3(73.94,63.75) 73.79,63.75 v4(73.66,63.63)
  L9-GND3 w0.064: 80.11,62.33 80.31,62.13 80.31,61.82 ; v1(81.79,67.77) 81.76,67.77 81.74,67.74 80.81,67.74 80.78,67.72 80.51,67.72 80.48,67.74 v1(80.04,67.74) ; v1(71.4,63.35) 71.4,63.43 71.17,63.66 71.17,65 71.25,65.08 v6(71.25,65.28)
  L9-GND3 w0.076: v4(71.28,67.45) 70.97,67.15 70.97,66.66 v4(70.82,66.5) ; v10(79.62,66.62) 79.62,67.33 v1(80.04,67.74) ; 76.25,58.39 76.25,58.57 76.33,58.65 76.33,59.28 76.53,59.49 ; v6(79.38,61.99) 79.43,61.99 79.67,62.23 79.71,62.23 79.77,62.3 79.84,62.3 ; 80.21,61.54 80.21,61.24 80.26,61.19 80.26,61.21 ; 78.87,52.42 78.49,52.8 78.44,52.8 78.44,53.93 78.49,53.98 78.49,54.02 77.93,54.58 ; 70.33,67.23 70.1,67.01 70.1,66.65 ; 72.42,61.98 72.36,61.92 72.36,61.1 72.64,60.81 72.67,60.81 ; 80.47,61.69 80.88,61.69
  L9-GND3 w0.102: 73.41,43.43 73.28,43.56 ; 80.24,60.8 80.24,61.1 ; v1(72.39,41.66) 72.55,41.82 72.55,44.82 72.52,44.85 v4(72.52,45.09) ; 77.98,65.81 78,65.79 78.14,65.79 78.5,66.16 79.03,66.16 ; v4(77.44,67.86) 77.02,67.44 77.02,66.27 v6(76.99,66.24) ; v4(78.69,68.73) 78.69,68.75 78.79,68.85 78.87,68.85 ; 80.42,61.69 80.47,61.69 ; 72.47,62.02 73.59,62.02 ; v4(94.11,60.14) 94.34,60.14 94.4,60.2 95.1,60.2 95.16,60.14 95.67,60.14 v4(96.34,60.81) ; v1(74.32,58.47) 74.13,58.47 72.92,59.68 72.19,59.68 72.09,59.58 ; v10(78.99,50.95) 78.98,50.95 78.38,51.54 78.38,52.03 77.97,52.45 v6(77.72,52.45) ; v1(79.2,48.48) 79.05,48.48 77.52,46.95 v1(77.52,46.43) ; v1(81.87,67.36) 81.62,67.11 81.21,67.11 v10(80.39,66.29) ; v4(92.82,69.66) 92.82,70.04 93.05,70.27 93.07,70.27 v4(93.5,70.7) ; v6(73.02,64.01) 73,64.03 v6(72.54,64.03) 71.02,64.03 v4(70.92,63.93) ; 78.26,60.42 78.36,60.52 78.38,60.5 78.92,60.5 78.97,60.44 79.18,60.44 ; v6(74.42,50.06) 74.02,50.06 74.01,50.05 73.65,50.05 73.51,49.91 v10(73.49,49.91) ; 72.12,64 72.14,64 72.22,64.08 73.39,64.08 73.46,64.15 ; 75.06,57.51 75.03,57.51 74.75,57.78 74.6,57.78 ; v10(91.62,66.18) 91.62,65.76 93.54,63.85 v1(93.63,63.85) ; 77.42,58.18 77.12,58.18 ; v10(89.22,60.83) 89.13,60.92
  L9-GND3 w0.152: 93.45,70.9 93.45,71.31 ; v1(83.69,45.74) 83.28,45.74 83.15,45.86 82.97,45.86 82.02,46.81 v6(81.48,46.81)
  BOTTOM w0.064: C1030.2 77.11,61.34 v4(76.99,61.21) 77.01,61.21 77.22,61.42 77.35,61.42 ; 75.88,61.11 76.17,61.11 76.2,61.09 v4(76.33,61.09) ; C1029.2 70.96,63.91 70.94,63.93 v4(70.92,63.93) ; C1022.2 79.23,65.23 79.23,64.85 v4(79.2,64.82) ; C1611.2 70.62,68.99 70.62,68.96 ; C1800.2 69.09,57.74 69.17,57.74 69.21,57.78 v4(69.34,57.78) ; v4(71.5,63.04) 71.55,63.04 71.7,63.19 71.78,63.19 C1025.2 ; R1400.2 79.58,72.52 v4(79.67,72.52) ; C1023.2 70.43,63.68 ; 70.43,63.68 70.35,63.68 v4(70.33,63.7) ; 70.43,63.68 70.48,63.68 ; 77.44,67.81 77.58,67.81 v4(77.62,67.77) ; v4(93.19,68.39) 93.61,68.39 93.58,68.37 ; 71.88,59.21 71.73,59.21 v10(71.63,59.31) ; v4(80.77,46) 80.77,45.59 80.75,45.61 ; v4(70.87,70.87) 70.91,70.91 71.03,70.91 ; v4(66.17,54.61) 66.78,55.22 68.45,55.22 ; 79.12,63.52 79.12,63.63 v4(78.99,63.75)